# Altium PCB PCB Ver. 1.0.PcbDoc (part 1 of 2)
Units mil, origin at the board's own origin, x right, y up, seen from the top; angles counter-clockwise.
Board outline 6000 x 4000 mil, 2 copper layers (Top Layer, Bottom Layer); 133 components, 170 nets, 575 pads, 181 vias.
Unrouted connection lines stored in the file: 1.
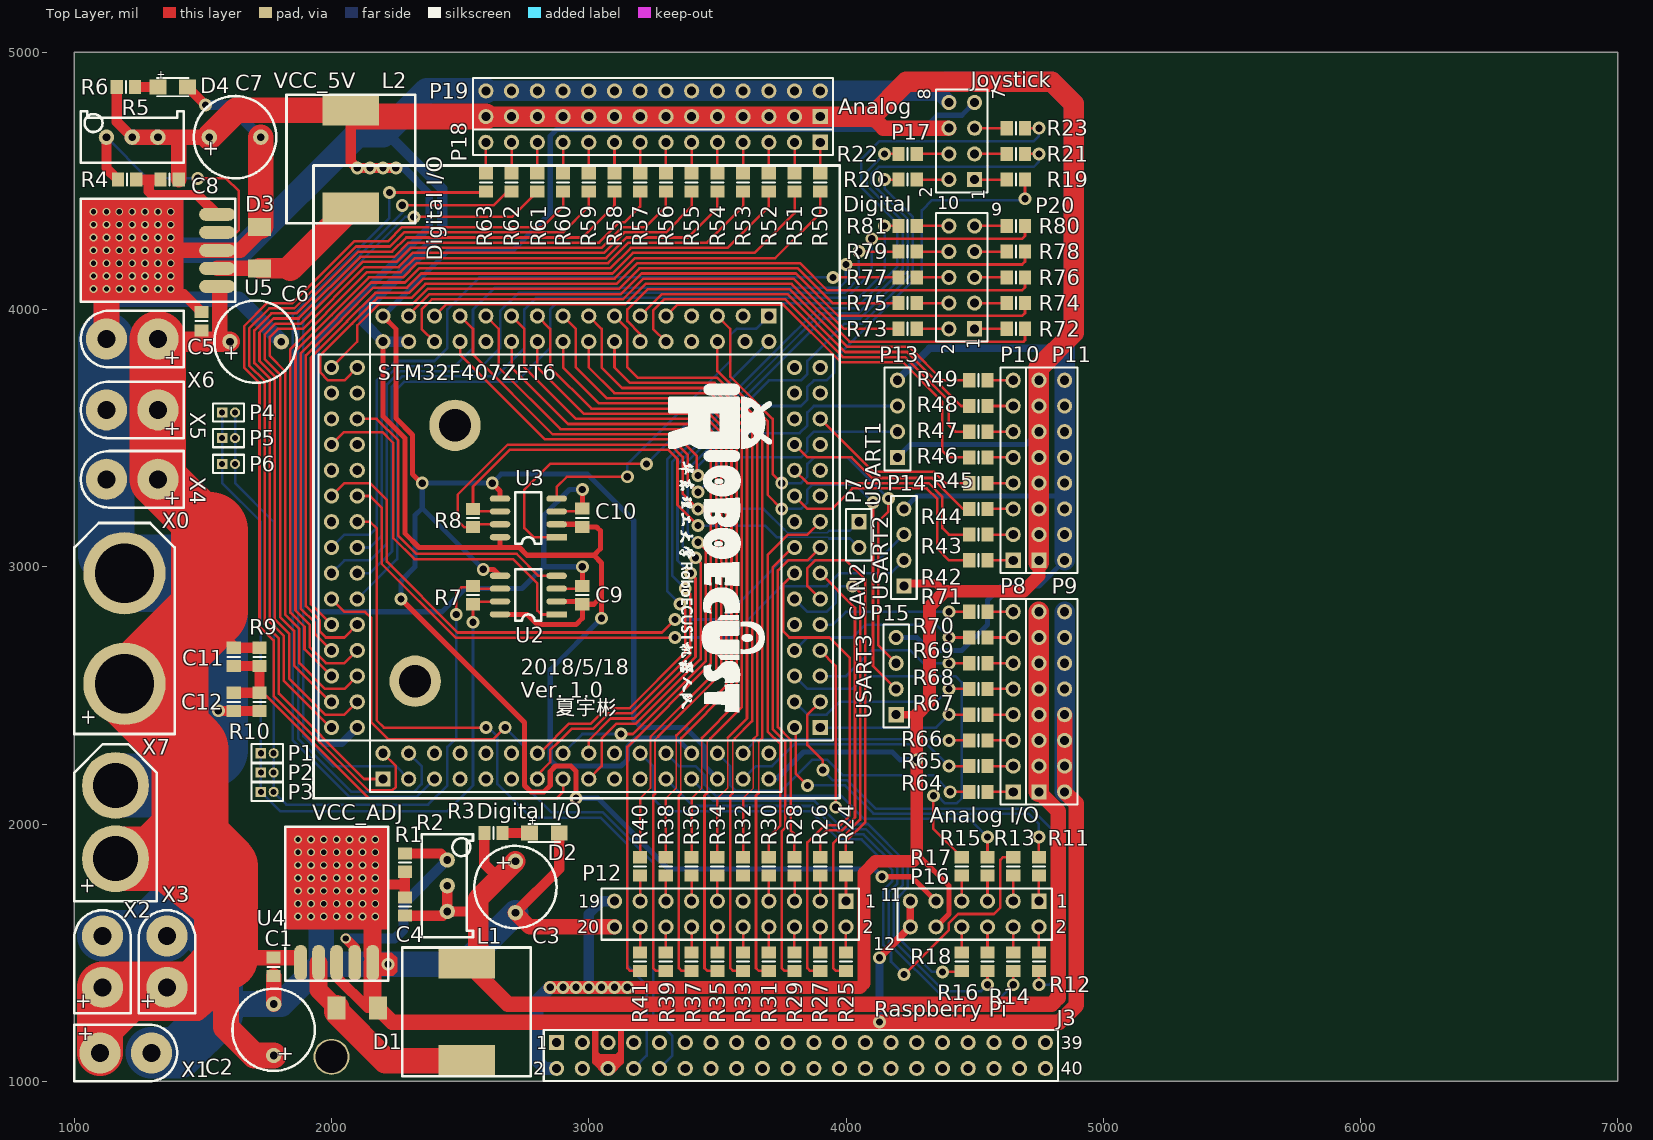
[diagram p0: Top Layer view]
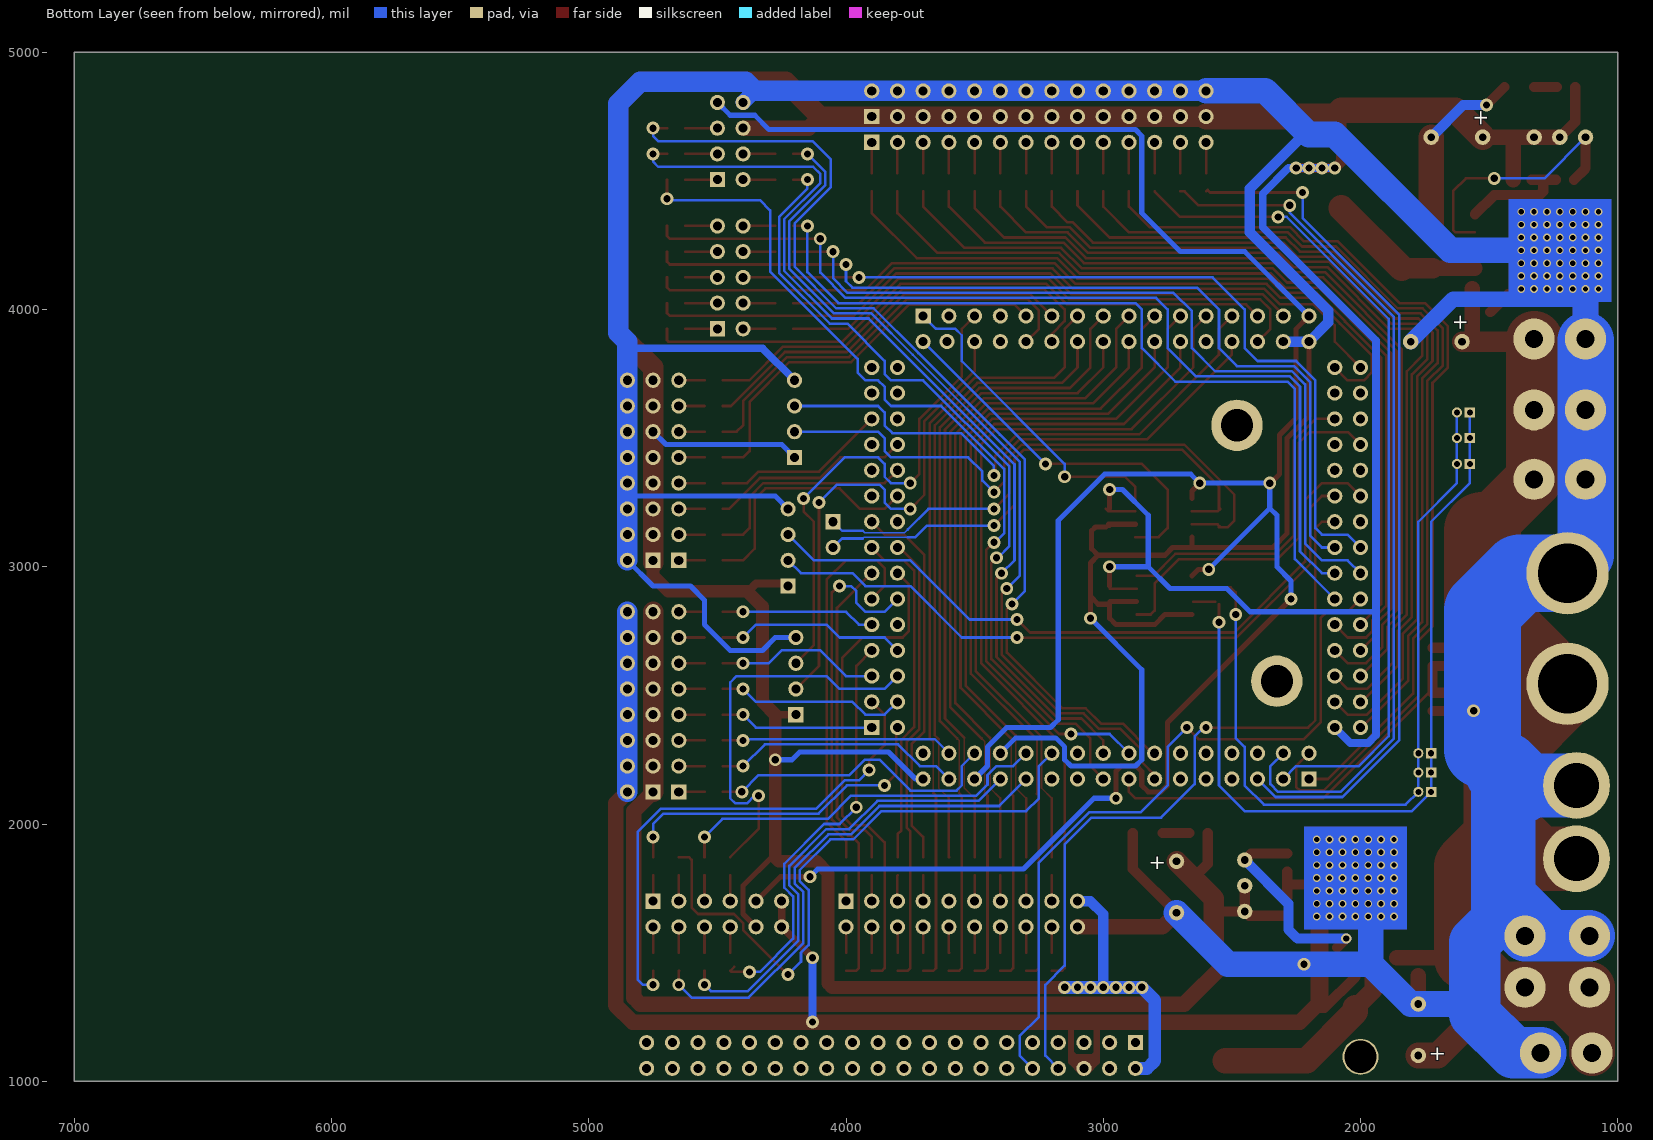
[diagram p1: Bottom Layer view, seen from below]

## Layer stack, top to bottom
Top Solder: solder mask 0.4, Solder Resist, Dk 3.5
Top Layer: signal copper 1.4
Dielectric 1: dielectric 12.6, FR-4, Dk 4.8
Bottom Layer: signal copper 1.4
Bottom Solder: solder mask 0.4, Solder Resist, Dk 3.5

## Board outline
1000,1000 7000,1000 7000,5000 1000,5000

## Design rules (kind name [scope] priority, off if disabled: settings)
Clearance [All] p1: gap=10
PolygonConnect [All] p1: connectstyle=Relief reliefconductorwidth=10 reliefentries=4 polygonreliefangle="90 Angle" airgapwidth=10
RoutingVias [All] p1: holewidth=28 width=50 viastyle="Through Hole" minholewidth=28 minwidth=50 maxholewidth=28 maxwidth=50
SolderMaskExpansion [All] p1: expansion=4
Width [All] p1: maxlimit=10 minlimit=10 preferedwidth=10
30 further rules are at their usual default settings.

## Components (designator, comment, footprint, x,y, rotation, side; value= is the part's Value field where it differs from the comment)
C1 "0.1μF" 6-0805_N 1775,1445 r90 top
C2 "100μF 50V" 8*12直插铝电解 1775,1200 r180 top
C3 "220μF 35V" 8*12直插铝电解 2715,1755 r0 top
C4 "1μF" 6-0805_N 2285,1679.13 r270 top
C5 "0.1μF" 6-0805_N 1495,3954.57 r270 top
C6 "100μF 50V" 8*12直插铝电解 1705,3875 r90 top
C7 "220μF 35V" 8*12直插铝电解 1625,4670 r90 top
C8 "1μF" 6-0805_N 1370.43,4505 r0 top
C9 "0.1μF" 6-0805_N 2975,2889.57 r270 top
C10 "0.1μF" 6-0805_N 2975,3190.43 r270 top
C11 "0.1μF" 6-0805_N 1620,2649.57 r90 top
C12 "0.1μF" 6-0805_N 1620,2474.57 r90 top
D1 "SS54" DO-214AA 2215,1330 r180 top
D2 "LED_RED" 1206_LED 2765,1930 r0 top
D3 "SS54" DO-214AA 1675,4355 r270 top
D4 "LED_RED" 1206_LED 1320,4830 r0 top
J3 "Header 20X2H" HDR2X20 2875,1150 r0 top
L1 "470" 12*12*7贴片电感 2775,1520 r180 top
L2 "470" 12*12*7贴片电感 2325,4835 r180 top
P1 "CAN1" MHDR1X2 1725,2275 r0 top
P2 "CAN1" MHDR1X2 1725,2200 r0 top
P3 "CAN1" MHDR1X2 1725,2125 r0 top
P4 "CAN1" MHDR1X2 1575,3600 r0 top
P5 "CAN1" MHDR1X2 1575,3500 r0 top
P6 "CAN1" MHDR1X2 1575,3400 r0 top
P7 "CAN2" HDR1X2 4050,3175 r270 top
P8 "Header 8" HDR1X8 4650,2125 r90 top
P9 "Header 8X2" HDR2X8 4750,2125 r90 top
P10 "Header 8" HDR1X8 4650,3025 r90 top
P11 "Header 8X2" HDR2X8 4750,3025 r90 top
P12 "Header 10X2" HDR2X10 4000,1700 r180 top
P13 "USART1" HDR1X4 4200,3425 r90 top
P14 "USART2" HDR1X4 4225,2925 r90 top
P15 "USART3" HDR1X4 4195,2425 r90 top
P16 "Header 6X2" HDR2X6 4750,1700 r180 top
P17 "Header 4X2" HDR2X4 4500,4505 r90 top
P18 "Header 14" HDR1X14 3900,4650 r180 top
P19 "Header 14X2" HDR2X14 3900,4750 r180 top
P20 "Header 5X2" HDR2X5 4500,3925 r90 top
R1 "330" 6-0805_N 2285,1850 r90 top
R2 "10K" 3296W精密电位器 2350,1960 r270 top
R3 "1K" 6-0805_N 2629.57,1965 r0 top
R4 "330" 6-0805_N 1205.43,4505 r180 top
R5 "10K" 3296W精密电位器 1025,4570 r0 top
R6 "1K" 6-0805_N 1200.43,4865 r0 top
R7 "120R" 6-0805_N 2550,2889.57 r270 top
R8 "120R" 6-0805_N 2550,3189.57 r270 top
R9 "9K" 6-0805_N 1720,2649.57 r90 top
R10 "1K" 6-0805_N 1720,2474.57 r90 top
R11 "100R" 6-0805_N 4750,1835.43 r270 top
R12 "100R" 6-0805_N 4750,1464.57 r270 top
R13 "100R" 6-0805_N 4650,1835.43 r270 top
R14 "100R" 6-0805_N 4650,1464.57 r270 top
R15 "100R" 6-0805_N 4550,1835.43 r270 top
R16 "100R" 6-0805_N 4550,1464.57 r270 top
R17 "100R" 6-0805_N 4450,1835.43 r270 top
R18 "100R" 6-0805_N 4450,1464.57 r270 top
R19 "100R" 6-0805_N 4660.43,4505 r180 top
R20 "100R" 6-0805_N 4239.57,4505 r180 top
R21 "100R" 6-0805_N 4660.43,4605 r180 top
R22 "100R" 6-0805_N 4239.57,4605 r180 top
R23 "100R" 6-0805_N 4660.43,4705 r180 top
R24 "100R" 6-0805_N 3999.57,1835.43 r270 top
R25 "100R" 6-0805_N 3999.57,1464.57 r270 top
R26 "100R" 6-0805_N 3899.57,1835.43 r270 top
R27 "100R" 6-0805_N 3899.57,1464.57 r270 top
R28 "100R" 6-0805_N 3799.57,1835.43 r270 top
R29 "100R" 6-0805_N 3799.57,1464.57 r270 top
R30 "100R" 6-0805_N 3699.57,1835.43 r270 top
R31 "100R" 6-0805_N 3699.57,1464.57 r270 top
R32 "100R" 6-0805_N 3599.57,1835.43 r270 top
R33 "100R" 6-0805_N 3599.57,1464.57 r270 top
R34 "100R" 6-0805_N 3499.57,1835.43 r270 top
R35 "100R" 6-0805_N 3500,1464.57 r270 top
R36 "100R" 6-0805_N 3399.57,1835.43 r270 top
R37 "100R" 6-0805_N 3399.57,1464.57 r270 top
R38 "100R" 6-0805_N 3299.57,1835.43 r270 top
R39 "100R" 6-0805_N 3299.57,1464.57 r270 top
R40 "100R" 6-0805_N 3199.57,1835.43 r270 top
R41 "100R" 6-0805_N 3199.57,1464.57 r270 top
R42 "100R" 6-0805_N 4514.57,3025 r0 top
R43 "100R" 6-0805_N 4514.57,3125 r0 top
R44 "100R" 6-0805_N 4514.57,3225 r0 top
R45 "100R" 6-0805_N 4514.57,3325 r0 top
R46 "100R" 6-0805_N 4514.57,3425 r0 top
R47 "100R" 6-0805_N 4514.57,3525 r0 top
R48 "100R" 6-0805_N 4514.57,3625 r0 top
R49 "100R" 6-0805_N 4514.57,3725 r0 top
R50 "100R" 6-0805_N 3900,4494.57 r90 top
R51 "100R" 6-0805_N 3800,4494.57 r90 top
R52 "100R" 6-0805_N 3700,4494.57 r90 top
R53 "100R" 6-0805_N 3600,4494.57 r90 top
R54 "100R" 6-0805_N 3500,4494.57 r90 top
R55 "100R" 6-0805_N 3400,4494.57 r90 top
R56 "100R" 6-0805_N 3300,4494.57 r90 top
R57 "100R" 6-0805_N 3200,4494.57 r90 top
R58 "100R" 6-0805_N 3100,4494.57 r90 top
R59 "100R" 6-0805_N 3000,4494.57 r90 top
R60 "100R" 6-0805_N 2900,4494.57 r90 top
R61 "100R" 6-0805_N 2800,4494.57 r90 top
R62 "100R" 6-0805_N 2700,4494.57 r90 top
R63 "100R" 6-0805_N 2600,4494.57 r90 top
R64 "100R" 6-0805_N 4514.57,2125 r0 top
R65 "100R" 6-0805_N 4514.57,2225 r0 top
R66 "100R" 6-0805_N 4514.57,2325 r0 top
R67 "100R" 6-0805_N 4514.57,2425 r0 top
R68 "100R" 6-0805_N 4514.57,2525 r0 top
R69 "100R" 6-0805_N 4514.57,2625 r0 top
R70 "100R" 6-0805_N 4514.57,2725 r0 top
R71 "100R" 6-0805_N 4514.57,2825 r0 top
R72 "100R" 6-0805_N 4660.43,3925 r180 top
R73 "100R" 6-0805_N 4239.57,3925 r180 top
R74 "100R" 6-0805_N 4660.43,4025 r180 top
R75 "100R" 6-0805_N 4239.57,4025 r180 top
R76 "100R" 6-0805_N 4660.43,4125 r180 top
R77 "100R" 6-0805_N 4239.57,4125 r180 top
R78 "100R" 6-0805_N 4660.43,4225 r180 top
R79 "100R" 6-0805_N 4239.57,4225 r180 top
R80 "100R" 6-0805_N 4660.43,4325 r180 top
R81 "100R" 6-0805_N 4239.57,4325 r180 top
STM32F407ZET6 "U1" STM32F103ZET6 2000,3775 r0 top locked
U2 "MCP2562-E/MF" SO-8 2875,2815 r180 top
U3 "MCP2562-E/MF" SO-8 2875,3115 r180 top
U4 "LM2596S-ADJ" TO-263 1820,1390 r0 top
U5 "LM2596S-ADJ" TO-263 1625,4030 r90 top
X0 "XT90" XT90PB 1390,2350 r90 top
X1 "XT30" XT30UPB 1000,1000 r0 top
X2 "XT30" XT30UPB 1220,1265 r90 top
X3 "XT30" XT30UPB 1470,1265 r90 top
X4 "XT30" XT30UPB 1425,3450 r180 top
X5 "XT30" XT30UPB 1425,3720 r180 top
X6 "XT30" XT30UPB 1425,3995 r180 top
X7 "XT60" XT60PB 1320,1700 r90 top

## Footprints (in the part's own frame and the unit in brackets; to place one, negate y for a bottom-side part, rotate by r counter-clockwise, add the part's x,y. Pads: shape width x height; smd on the part's side, far side on the other; paste and mask are expansions set on the pad)
6-0805_N [mm] "Chip Resistor, Body 2.0x1.2mm, IPC Medium Density"
  rect 1.2x1.4 smd: 1(-0.9,0) 2(0.9,0)
  silkscreen extent 0,-0.6 0,0.6, body extent -1.07,-0.7 1.07,0.7, height 0.7
8*12直插铝电解 [mil]
  round 60 hole 30: 1(0,100) 2(0,-100)
  silkscreen extent -160,-160 160,160
12*12*7贴片电感 [mil]
  rect 220x120 smd: 1(250,440) 2(250,60)
  silkscreen extent 0,0 500,500
1206_LED [mil]
  rect 65x60 smd: 1(5,35) 2(120,35)
  silkscreen extent 0,0 125,70
3296W精密电位器 [mil]
  round 60 hole 30: 1(100,100) 2(200,100) 3(300,100)
  silkscreen extent 0,0 400,200
DO-214AA [mil]
  rect 70x90 smd: 1(35,45) 2(195,45)
HDR1X2 [mm] "Connector; Header; 2 Position"
  rect 1.5x1.5 hole 0.9: 1(0,0)
  round 1.5 hole 0.9: 2(2.54,0)
  silkscreen extent -1.27,-1.27 3.81,1.27
HDR1X4 [mm] "Connector; Header; 4 Position"
  rect 1.5x1.5 hole 0.9: 1(0,0)
  round 1.5 hole 0.9: 2(2.54,0) 3(5.08,0) 4(7.62,0)
  silkscreen extent -1.27,-1.27 8.89,1.27
HDR1X8 [mm] "Connector; Header; 8 Position"
  rect 1.5x1.5 hole 0.9: 1(0,0)
  round 1.5 hole 0.9: 2(2.54,0) 3(5.08,0) 4(7.62,0) 5(10.16,0) 6(12.7,0) 7(15.24,0) 8(17.78,0)
  silkscreen extent -1.27,-1.27 19.05,1.27
HDR1X14 [mm] "Connector; Header; 14 Position"
  rect 1.5x1.5 hole 0.9: 1(0,0)
  round 1.5 hole 0.9: 2(2.54,0) 3(5.08,0) 4(7.62,0) 5(10.16,0) 6(12.7,0) 7(15.24,0) 8(17.78,0) 9(20.32,0) 10(22.86,0) 11(25.4,0) 12(27.94,0) 13(30.48,0) 14(33.02,0)
  silkscreen extent -1.27,-1.27 34.29,1.27
HDR2X4 [mm] "Connector; Header; 4x2 Position"
  rect 1.5x1.5 hole 0.9: 1(0,0)
  round 1.5 hole 0.9: 2(0,2.54) 3(2.54,0) 4(2.54,2.54) 5(5.08,0) 6(5.08,2.54) 7(7.62,0) 8(7.62,2.54)
  silkscreen extent -1.27,-1.27 8.89,3.81
HDR2X5 [mm] "Connector; Header; 5x2 Position"
  rect 1.5x1.5 hole 0.9: 1(0,0)
  round 1.5 hole 0.9: 2(0,2.54) 3(2.54,0) 4(2.54,2.54) 5(5.08,0) 6(5.08,2.54) 7(7.62,0) 8(7.62,2.54) 9(10.16,0) 10(10.16,2.54)
  silkscreen extent -1.27,-1.27 11.43,3.81
HDR2X6 [mm] "Connector; Header; 6x2 Position"
  rect 1.5x1.5 hole 0.9: 1(0,0)
  round 1.5 hole 0.9: 2(0,2.54) 3(2.54,0) 4(2.54,2.54) 5(5.08,0) 6(5.08,2.54) 7(7.62,0) 8(7.62,2.54) 9(10.16,0) 10(10.16,2.54) 11(12.7,0) 12(12.7,2.54)
  silkscreen extent -1.27,-1.27 13.97,3.81
HDR2X8 [mm] "Connector; Header; 8x2 Position"
  rect 1.5x1.5 hole 0.9: 1(0,0)
  round 1.5 hole 0.9: 2(0,-2.54) 3(2.54,0) 4(2.54,-2.54) 5(5.08,0) 6(5.08,-2.54) 7(7.62,0) 8(7.62,-2.54) 9(10.16,0) 10(10.16,-2.54) 11(12.7,0) 12(12.7,-2.54) 13(15.24,0) 14(15.24,-2.54) 15(17.78,0) 16(17.78,-2.54)
  silkscreen extent -1.27,-3.81 19.05,1.27
HDR2X10 [mm] "Connector; Header; 10x2 Position"
  rect 1.5x1.5 hole 0.9: 1(0,0)
  round 1.5 hole 0.9: 2(0,2.54) 3(2.54,0) 4(2.54,2.54) 5(5.08,0) 6(5.08,2.54) 7(7.62,0) 8(7.62,2.54) 9(10.16,0) 10(10.16,2.54) 11(12.7,0) 12(12.7,2.54) 13(15.24,0) 14(15.24,2.54) 15(17.78,0) 16(17.78,2.54) 17(20.32,0) 18(20.32,2.54) 19(22.86,0) 20(22.86,2.54)
  silkscreen extent -1.27,-1.27 24.13,3.81
HDR2X14 [mm] "Connector; Header; 14x2 Position"
  rect 1.5x1.5 hole 0.9: 1(0,0)
  round 1.5 hole 0.9: 2(0,-2.54) 3(2.54,0) 4(2.54,-2.54) 5(5.08,0) 6(5.08,-2.54) 7(7.62,0) 8(7.62,-2.54) 9(10.16,0) 10(10.16,-2.54) 11(12.7,0) 12(12.7,-2.54) 13(15.24,0) 14(15.24,-2.54) 15(17.78,0) 16(17.78,-2.54) 17(20.32,0) 18(20.32,-2.54) 19(22.86,0) 20(22.86,-2.54) 21(25.4,0) 22(25.4,-2.54) 23(27.94,0) 24(27.94,-2.54) 25(30.48,0) 26(30.48,-2.54) 27(33.02,0) 28(33.02,-2.54)
  silkscreen extent -1.27,-3.81 34.29,1.27
HDR2X20 [mm] "Connector; Header; 20x2 Position"
  rect 1.5x1.5 hole 0.9: 1(0,0)
  round 1.5 hole 0.9: 2(0,-2.54) 3(2.54,0) 4(2.54,-2.54) 5(5.08,0) 6(5.08,-2.54) 7(7.62,0) 8(7.62,-2.54) 9(10.16,0) 10(10.16,-2.54) 11(12.7,0) 12(12.7,-2.54) 13(15.24,0) 14(15.24,-2.54) 15(17.78,0) 16(17.78,-2.54) 17(20.32,0) 18(20.32,-2.54) 19(22.86,0) 20(22.86,-2.54) 21(25.4,0) 22(25.4,-2.54) 23(27.94,0) 24(27.94,-2.54) 25(30.48,0) 26(30.48,-2.54) 27(33.02,0) 28(33.02,-2.54) 29(35.56,0) 30(35.56,-2.54) 31(38.1,0) 32(38.1,-2.54) 33(40.64,0) 34(40.64,-2.54) 35(43.18,0) 36(43.18,-2.54) 37(45.72,0) 38(45.72,-2.54) 39(48.26,0) 40(48.26,-2.54)
  silkscreen extent -1.27,-3.81 49.53,1.27
MHDR1X2 [mm] "Connector; Header; 2 Position"
  rect 1x1 hole 0.6: 1(0,0)
  round 1 hole 0.6: 2(1.27,0)
  silkscreen extent -0.9,-0.9 2.17,0.9
SO-8 [mil]
  rect 80x24 smd: 1(0,0)
  oval 80x24 smd: 2(0,-50) 3(0,-100) 4(0,-150) 5(220,-150) 6(220,-100) 7(220,-50) 8(220,0)
  silkscreen extent 60,-175 160,25
STM32F103ZET6 [mm]
  round 1.5 hole 0.9: 1(0,0) 2(2.54,0) 3(0,-2.54) 4(2.54,-2.54) 5(0,-5.08) 6(2.54,-5.08) 7(0,-7.62) 8(2.54,-7.62) 9(0,-10.16) 10(2.54,-10.16) 11(0,-12.7) 12(2.54,-12.7) 13(0,-15.24) 14(2.54,-15.24) 15(0,-17.78) 16(2.54,-17.78) 17(0,-20.32) 18(2.54,-20.32) 19(0,-22.86) 20(2.54,-22.86) 21(0,-25.4) 22(2.54,-25.4) 23(0,-27.94) 24(2.54,-27.94) 25(0,-30.48) 26(2.54,-30.48) 27(0,-33.02) 28(2.54,-33.02) 29(0,-35.56) 30(2.54,-35.56) 32(5.08,-38.1) 33(7.62,-40.64) 34(7.62,-38.1) 35(10.16,-40.64) 36(10.16,-38.1) 37(12.7,-40.64) 38(12.7,-38.1) 39(15.24,-40.64) 40(15.24,-38.1) 41(17.78,-40.64) 42(17.78,-38.1) 43(20.32,-40.64) 44(20.32,-38.1) 45(22.86,-40.64) 46(22.86,-38.1) 47(25.4,-40.64) 48(25.4,-38.1) 49(27.94,-40.64) 50(27.94,-38.1) 51(30.48,-40.64) 52(30.48,-38.1) 53(33.02,-40.64) 54(33.02,-38.1) 55(35.56,-40.64) 56(35.56,-38.1) 57(38.1,-40.64) 58(38.1,-38.1) 59(40.64,-40.64) 60(40.64,-38.1) 61(43.18,-40.64) 62(43.18,-38.1) 64(45.72,-35.56) 65(48.26,-33.02) 66(45.72,-33.02) 67(48.26,-30.48) 68(45.72,-30.48) 69(48.26,-27.94) 70(45.72,-27.94) 71(48.26,-25.4) 72(45.72,-25.4) 73(48.26,-22.86) 74(45.72,-22.86) 75(48.26,-20.32) 76(45.72,-20.32) 77(48.26,-17.78) 78(45.72,-17.78) 79(48.26,-15.24) 80(45.72,-15.24) 81(48.26,-12.7) 82(45.72,-12.7) 83(48.26,-10.16) 84(45.72,-10.16) 85(48.26,-7.62) 86(45.72,-7.62) 87(48.26,-5.08) 88(45.72,-5.08) 89(48.26,-2.54) 90(45.72,-2.54) 91(48.26,0) 92(45.72,0) 94(43.18,2.54) 95(40.64,5.08) 96(40.818,2.565) 97(38.1,5.08) 98(38.1,2.54) 99(35.56,5.08) 100(35.56,2.54) 101(33.02,5.08) 102(33.02,2.54) 103(30.48,5.08) 104(30.48,2.54) 105(27.94,5.08) 106(27.94,2.54) 107(25.4,5.08) 108(25.4,2.54) 109(22.86,5.08) 110(22.86,2.54) 111(20.32,5.08) 112(20.32,2.54) 113(17.78,5.08) 114(17.78,2.54) 115(15.24,5.08) 116(15.24,2.54) 117(12.7,5.08) 118(12.7,2.54) 119(10.16,5.08) 120(10.16,2.54) 121(7.62,5.08) 122(7.62,2.54) 123(5.08,5.08) 124(5.08,2.54)
  rect 1.5x1.5 hole 0.9: 31(5.08,-40.64) 63(48.26,-35.56) 93(43.18,5.08)
  silkscreen extent -1.78,-42.55 50.16,19.94
TO-263 [mil]
  oval 50x140 smd: 1(60,70) 2(130,70) 3(200,70) 4(270,70) 5(340,70)
  Top Layer region: 0,200 400,200 400,600 0,600
  Bottom Layer region: 0,200 400,200 400,600 0,600
  silkscreen extent 0,0 400,600
XT30UPB [mil]
  round 160 hole 70: 1(100,110) 2(300,110)
  silkscreen extent 0,0 400,220
XT60PB [mil]
  round 260 hole 175: 1(165,160) 2(450,160)
  silkscreen extent 0,0 610,320
XT90PB [mil]
  round 320 hole 230: 1(195,195) 2(625,195)
  silkscreen extent 0,0 820,390

## Part data
C1 C4 C5 C8 C9 C10 C11 C12: library part Cap, "Capacitor"
C2 C3 C6 C7: library part "Cap Pol1", "Polarized Capacitor (Radial)"
D1 D3: library part "Diode 11DQ03", "Schottky Rectifier"
D2 D4: library part LED3, "Typical BLUE SiC LED"
J3: "Header, 20-Pin, Dual row, Right Angle"
L1 L2: library part Inductor, "Inductor"
P1 P2 P3 P4 P5 P6 P7 X0 X1 X2 X3 X4 X5 X6 X7: library part "Header 2", "Header, 2-Pin"
P8 P10: "Header, 8-Pin"
P9 P11: "Header, 8-Pin, Dual row"
P12: "Header, 10-Pin, Dual row"
P13 P14 P15: library part "Header 4", "Header, 4-Pin"
P16: "Header, 6-Pin, Dual row"
P17: "Header, 4-Pin, Dual row"
P18: "Header, 14-Pin"
P19: "Header, 14-Pin, Dual row"
P20: "Header, 5-Pin, Dual row"
R1 R3 R4 R6 R7 R8 R9 R10 R11 R12 R13 R14 R15 R16 R17 R18 R19 R20 R21 R22 R23 R24 R25 R26 R27 R28 R29 R30 R31 R32 R33 R34 R35 R36 R37 R38 R39 R40 R41 R42 R43 R44 R45 R46 R47 R48 R49 R50 R51 R52 R53 R54 R55 R56 R57 R58 R59 R60 R61 R62 R63 R64 R65 R66 R67 R68 R69 R70 R71 R72 R73 R74 R75 R76 R77 R78 R79 R80 R81: library part Res2, "Resistor"
R2 R5: library part "Res Tap", "Tapped Resistor"
STM32F407ZET6: library part Component_1
U4 U5: library part LM2576S-5.0, "CI-LM2576S-5.0"

## Free pads (board coordinates)
  round 140 hole 125: 0(2000,1095)
  round 200 hole 125: 0(2325,2555) 0(2480,3550)

## Via types
v1: diameter 30, hole 20, Top Layer to Bottom Layer, 98 vias
v2: diameter 50, hole 28, Top Layer to Bottom Layer, 82 vias
v3: diameter 40, hole 25, Top Layer to Bottom Layer, 1 vias

## Nets (pads, with @x,y where several pads share a name; then routed paths per layer and width w, separated by ;. In a path a pad name is that pad's centre, name@x,y a point inside that pad or via, vN(x,y) a via of type N, cw(c..) or ccw(c..) an arc to the next point about the centre after c; other vN are vias at no path point)
ADC3_IN4: R19.1 STM32F407ZET6.46 | length 3501.5
  Top Layer w10: STM32F407ZET6.46@2900,2275 STM32F407ZET6.46@2900,2280 ; v2(3125,2350) 3171.72,2350 3455,2633.28 3455,3065 v2(3425,3095) ; v2(4695.87,4430.87) R19.1@4695.87,4505
  Bottom Layer w10: STM32F407ZET6.46@2900,2275 2975,2350 v2(3125,2350) ; v2@3420,3095 3385,3130 3385,3380 3630,3625 3825,3625 3850,3650 3850,3700 3875,3725 3925,3725 3955,3755 3955,3808.58 4295,4148.58 4295,4385 4335,4425 4690,4425 v2(4695.87,4430.87)
ADC3_IN5: R20.2 STM32F407ZET6.47 | length 3176.7
  Top Layer w10: STM32F407ZET6.47@3000,2175 3050,2225 3050,2331.57 3108.43,2390 3183.43,2390 3435,2641.57 3435,3015 v2(3415,3035) v2@3420,3040 ; v2(4150,4505) R20.2@4204.13,4505
  Bottom Layer w10: v2(3415,3035) 3410,3035 3365,3080 3365,3390 3700,3725 3825,3725 3850,3750 3850,3800 3995,3945 4063.14,3945 4260,4141.86 4260,4359.85 4150,4469.85 v2(4150,4505)
ADC3_IN6: R21.1 STM32F407ZET6.48 | length 3772.1
  Top Layer w10: STM32F407ZET6.48@3000,2275 3000,2325 3085,2410 3175.15,2410 3415,2649.85 3415,2955 v2(3395,2975) ; R21.1@4695.87,4605 v2(4750,4605)
  Bottom Layer w10: v2(3395,2975) 3345,3025 3345,3398.28 3911.72,3965 4054.85,3965 4240,4150.15 4240,4351.57 4100,4491.57 4100,4526.72 4128.28,4555 4730,4555 4750,4575 v2(4750,4605)
ADC3_IN9: R22.2 STM32F407ZET6.43 | length 3404.8
  Top Layer w10: STM32F407ZET6.43@2800,2175 2800,2190 2850,2240 2850,2287.97 2881.56,2319.53 2882.96,2319.53 2933.43,2370 3016.72,2370 3076.72,2430 3166.86,2430 3395,2658.14 3395,2895 v2(3375,2915) ; v2(4150,4605) R22.2@4204.13,4605
  Bottom Layer w10: v2(3375,2915) 3325,2965 3325,3408.74 3740.51,3824.26 3901.26,3985 4046.57,3985 4220,4158.43 4220,4343.28 4080,4483.28 4080,4535 v2(4150,4605)
ADC3_IN14: R23.1 STM32F407ZET6.44 | length 4036.5
  Top Layer w10: STM32F407ZET6.44@2800,2275 2820,2275 2820,2286.26 2923.74,2390 3008.43,2390 3068.43,2450 3158.58,2450 3375,2666.42 3375,2835 v2(3355,2855) ; R23.1@4695.87,4705 v2(4750,4705)
  Bottom Layer w10: v2(3355,2855) 3355,2865 3345,2855 3345,2865 3305,2905 3305,3417.03 3401.49,3513.51 3718.44,3830.47 3892.97,4005 4038.28,4005 4200,4166.72 4200,4335 4060,4475 4060,4585 4130,4655 4730,4655 4750,4675 v2(4750,4705)
ADC3_IN15: C11.1 C12.2 R9.1 R10.2 STM32F407ZET6.45 | length 1714.3
  Top Layer w10: R10.2@1720,2510 1735,2510 2145,2100 2875,2100 2900,2125 STM32F407ZET6.45@2900,2175
  Top Layer w40: C12.2@1620,2510 R10.2@1720,2510 R9.1@1720,2614.13 C11.1@1620,2614.13
ADC12_IN14: R17.1 STM32F407ZET6.68 | length 1567.2
  Top Layer w10: v2(4340,2110) 4340,1980.87 R17.1@4450,1870.87
  Bottom Layer w10: STM32F407ZET6.68@3800,2575 3850,2525 4025,2525 4075,2575 4425,2575 4450,2550 4450,2100 4430,2080 4385,2080 4355,2110 v2(4340,2110)
ADC12_IN15: R18.2 STM32F407ZET6.69 | length 1633.1
  Top Layer w10: STM32F407ZET6.69@3900,2675 3960,2615 v2(3960,2065) ; v2(4375,1425) 4445.87,1425 R18.2@4450,1429.13 R18.2@4434.13,1445
  Bottom Layer w10: v2(3960,2065) 4025,2000 4085,2000 4240,1845 4240,1752.97 4205.47,1718.44 4205.47,1554.53 4335,1425 v2(4375,1425)
ADC123_IN10: R13.1 STM32F407ZET6.52 | length 2432.4
  Top Layer w10: v2(4225,1415) 4227.97,1415 4400,1587.03 4400,1614.64 4435.36,1650 4575,1650 4600,1675 4600,1860 4610.87,1870.87 R13.1@4650,1870.87
  Bottom Layer w10: STM32F407ZET6.52@3200,2275 3250,2225 3250,2100 3300,2050 3861.86,2050 3971.86,1940 4060.15,1940 4180,1820.15 4180,1778.43 4145.47,1743.9 4145.47,1529.53 4175,1500 4175,1465 v2(4225,1415)
ADC123_IN11: R14.2 STM32F407ZET6.53 | length 1997.4
  Top Layer w10: R14.2@4648.47,1429.13 R14.2@4650,1429.13 v2(4650,1375)
  Bottom Layer w10: STM32F407ZET6.53@3300,2175 3405,2070 3870.15,2070 3980.15,1960 4068.43,1960 4200,1828.43 4200,1769.54 4165.47,1735.01 4165.47,1537.96 4378.43,1325 4600,1325 v2(4650,1375)
ADC123_IN12: R15.1 STM32F407ZET6.54 | length 1485.3
  Top Layer w10: R15.1@4550,1870.87 v2(4550,1950)
  Bottom Layer w10: STM32F407ZET6.54@3300,2275 3350,2225 3415,2225 3450,2190 3450,2153.28 3493.28,2110 3980.15,2110 4070.15,2020 4480,2020 v2(4550,1950)
ADC123_IN13: R16.2 STM32F407ZET6.55 | length 1775.2
  Top Layer w10: v2(4550,1375) R16.2@4550,1429.13
  Bottom Layer w10: STM32F407ZET6.55@3400,2175 3485,2090 3878.43,2090 3988.43,1980 4076.72,1980 4220,1836.72 4220,1761.26 4185.47,1726.73 4185.47,1546.24 4381.72,1350 4525,1350 v2(4550,1375)
CAN1_RX: STM32F407ZET6.6 U2.4 | length 1239.6
  Top Layer w10: STM32F407ZET6.6@2100,3575 2175,3575 2260,3490 2260,3120 2330,3050 2720,3050 2805.43,2964.57 U2.4@2870,2964.57
CAN1_TX: STM32F407ZET6.7 U2.1 | length 1461.9
  Top Layer w10: STM32F407ZET6.7@2000,3475 2048.36,3523.36 2198.36,3523.36 2240,3481.72 2240,3111.72 2321.72,3030 2705,3030 2800,2935 2800,2830 2815.43,2814.57 U2.1@2870,2814.57
CAN2_RX: STM32F407ZET6.93 U3.4 | length 1231.2
  Top Layer w10: U3.4@2875,3265 2875,3310 2915,3350 v2(3150,3350)
  Bottom Layer w10: v2(3150,3350) 3150,3400 3550,3800 3550,3900 3575,3925 3650,3925 ; 3651.53,3926.53 STM32F407ZET6.93@3700,3975
CAN2_TX: STM32F407ZET6.94 U3.1 | length 1477.7
  Top Layer w10: U3.1@2875,3115 2785,3115 2750,3150 2750,3300 2850,3400 v2(3225,3400)
  Bottom Layer w10: v2(3225,3400) STM32F407ZET6.94@3700,3875
DAC1_OUT: R11.1 STM32F407ZET6.64 | length 1337
  Top Layer w10: STM32F407ZET6.64@3800,2375 3804.53,2370.47 3804.53,2195.47 v2(3850,2150) ; R11.1@4750,1870.87 v2(4750,1950)
  Bottom Layer w10: v2(3850,2150) 3996.72,2150 4106.72,2040 4710,2040 4750,2000 v2(4750,1950)
DAC2_OUT: R12.2 STM32F407ZET6.65 | length 2006.4
  Top Layer w10: STM32F407ZET6.65@3900,2475 3850,2425 3850,2306.72 3910,2246.72 v2(3910,2210) ; v2(4750,1375) R12.2@4750,1429.13
  Bottom Layer w10: v2(3910,2210) 3950,2170 4005,2170 4115,2060 4718.28,2060 4810,1968.28 4810,1395 4790,1375 v2(4750,1375)
GND: C1.1 C2.2 C3.2 C4.1 C5.1 C6.2 C7.2 C8.1 C9.2 C10.2 C12.1 D1.1 D2.2 D3.1 D4.2 J3.6 P9.2 P9.4 P9.6 P9.8 P9.10 P9.12 P9.14 P9.16 P11.2 P11.4 P11.6 P11.8 P11.10 P11.12 P11.14 P11.16 P12.20 P13.4 P14.4 P15.4 P16.11 P16.12 P17.8 P19.2 P19.4 P19.6 P19.8 P19.10 P19.12 P19.14 P19.16 P19.18 P19.20 P19.22 P19.24 P19.26 P19.28 R1.1 R4.1 R10.1 STM32F407ZET6.56 STM32F407ZET6.122 STM32F407ZET6.124 U2.2 U2.8 U3.2 U3.8 U4.3 U4.5 U5.3 U5.5 X0.2 X1.2 X2.2 X3.2 X4.2 X5.2 X6.2 X7.2 | length 29249.3
  Top Layer w10: 1125,4060 1240,4060 ; 1410,4445 1410,4230 1240,4060 ; 1425,4060 1240,4060 ; v2(1560,2440) v2@1560.87,2439.13 ; D3.1@1720,4320 D3.1@1725,4325 ; D1.1@2160,1305 D1.1@2180,1285 ; U4.5@2160,1460 U4.5@2160,1490 ; 2160,1605 2205,1650 2205,1765 ; C4.1@2283.47,1714.57 C4.1@2285,1714.57 ; C10.2@2975,3155 2989.57,3155 C10.2@2979.57,3165
  Top Layer w20: STM32F407ZET6.124@2200,3875 2200,3585.36 2285,3500.36 2285,3130.36 2340.36,3075 2655,3075 ; U2.8@2655,2815 2760,2815 2800,2775 2950,2775 2975,2800 C9.2@2975,2854.13 3019.13,2854.13 3050,2885 ; U3.8@2655,3115 2655,3075 ; U2.2@2870,2864.57 C9.2@2974.13,2864.57 ; U3.2@2875,3165 C10.2@2979.57,3165 ; C10.2@2989.57,3155 3030,3155 3045,3140 3045,3070 3020,3045 2760.36,3045 2730.36,3075 2655,3075 ; 3022.5,3042.5 3050,3015 3050,2885 ; v2(3050,2800) 3050,2885
  Top Layer w24: J3.6@3085,1035 3125,1075 3125,1230
  Top Layer w30: v2(4130,1480) P16.12@4250,1600 P16.11@4250,1700
  Top Layer w40: R4.1@1240.87,4505 1290,4505 ; C8.1@1335,4505 1290,4505 ; 1425,4060 C5.1@1495,3990 ; D4.2@1440,4865 v2(1510,4795) ; U5.5@1555,4370 1480,4445 1410,4445 1305,4445 1290,4460 1290,4505 ; v2@1560.87,2439.13 C12.1@1620,2439.13 R10.1@1720,2439.13 ; U4.3@2020,1405 2140,1285 D1.1@2180,1285 ; 2205,1765 2284.57,1765 ; C4.1@2285,1714.57 R1.1@2285,1814.57 ; C3.2@2715,1655 2885,1825 D2.2@2885,1965
  Top Layer w60: 1410,4230 U5.3@1555,4230 1645,4230 1720,4305 D3.1@1720,4320 ; C2.2@1775,1300 C1.1@1775,1409.57 ; D1.1@2180,1285 2235,1230 3125,1230 v2(4130,1230) 4830,1230 4895,1295 4895,2080 P9.2@4850,2125 P9.4@4850,2225 P9.6@4850,2325 P9.8@4850,2425 ; C3.2@2715,1655 2770,1600 P12.20@3100,1600
  Top Layer w70: D1.1@2160,1305 U4.5@2160,1460 ; U4.5@2160,1490 2160,1605
  Top Layer w100: X6.2@1125,3885 1125,4060 ; D3.1@1725,4325 C7.2@1725,4670
  Bottom Layer w10: X0.2@1125,3045 X0.2@1195,2975 ; 1410,4040 1410,4230 ; 1445,2210 1492.5,2257.5 ; 1555,1260 1595,1300 ; 2200,4680 2220,4680
  Bottom Layer w20: v2(3050,2800) 2850,2600 2850,2250 2875,2225 3125,2225 3150,2250 3150,2300 3185,2335 3340,2335 STM32F407ZET6.56@3400,2275 ; P15.4@4195,2725 4275,2725 4325,2675 4450,2675 4550,2775 4550,2870 4605,2925 4750,2925 P11.2@4850,3025 ; P14.4@4225,3225 4275,3275 4850,3275
  Bottom Layer w30: v2(4130,1230) v2(4130,1480) ; P13.4@4200,3725 4325,3850 4850,3850
  Bottom Layer w40: v2(1510,4795) 1600,4795 C7.2@1725,4670 ; 2220,4680 2430,4470 2430,4300 2125,3995 2125,3950 STM32F407ZET6.124@2200,3875 STM32F407ZET6.122@2300,3875
  Bottom Layer w60: 1125,4040 1410,4040 1640,4040 C6.2@1805,3875 ; 4355,4850 P17.8@4400,4805
  Bottom Layer w80: P19.28@2600,4850 P19.26@2700,4850 P19.24@2800,4850 P19.22@2900,4850 P19.20@3000,4850 P19.18@3100,4850 P19.16@3200,4850 P19.14@3300,4850 P19.12@3400,4850 P19.10@3500,4850 P19.8@3600,4850 P19.6@3700,4850 P19.4@3800,4850 P19.2@3900,4850 4355,4850 4390,4885 4800,4885 4885,4800 4885,3910 4850,3875 4850,3850 P11.16@4850,3725 P11.14@4850,3625 P11.12@4850,3525 P11.10@4850,3425 P11.8@4850,3325 4850,3275 P11.6@4850,3225 P11.4@4850,3125 P11.2@4850,3025 ; P9.2@4850,2125 P9.4@4850,2225 P9.6@4850,2325 P9.8@4850,2425 P9.10@4850,2525 P9.12@4850,2625 P9.14@4850,2725 P9.16@4850,2825
  Bottom Layer w100: X6.2@1125,3880 X6.2@1125,3885 1125,4040 ; 1410,4230 1650,4230 2100,4680 2200,4680 2370,4850 P19.28@2600,4850 ; 1595,1300 C2.2@1775,1300 1805,1300 1960,1455 v2(2220,1455) 2515,1455 C3.2@2715,1655
  Bottom Layer w200: X2.2@1110,1565 X3.2@1360,1565 1445,1650 1555,1540 1555,1260 1405,1110 X1.2@1300,1110
  Bottom Layer w220: X0.2@1125,3045 X4.2@1125,3340 X5.2@1125,3610 X6.2@1125,3880
  Bottom Layer w250: X7.2@1160,2150 1385,2150 ; 1445,1650 1445,2210
  Bottom Layer w300: X0.2@1195,2975 1380,2975 1525,2830 1525,2290 ; 1385,2150 1445,2210
NetD1_2: D1.2 L1.1 U4.2 | length 802.3
  Top Layer w70: U4.2@1950,1459.57 1950,1355 D1.2@2020,1285
  Top Layer w100: D1.2@2020,1285 2020,1270 2210,1080 L1.1@2525,1080
NetD2_1: D2.1 R3.2 | length 105
  Top Layer w40: R3.2@2665,1965 D2.1@2770,1965
NetD3_2: D3.2 L2.1 U5.2 | length 617.3
  Top Layer w60: U5.2@1555,4160 D3.2@1720,4160
  Top Layer w80: D3.2@1720,4160 1840,4160
  Top Layer w100: 1840,4160 L2.1@2075,4395
NetD4_1: D4.1 R6.2 | length 89.1
  Top Layer w40: R6.2@1235.87,4865 D4.1@1325,4865
NetP1_1: P1.1 P2.1 P3.1 P4.1 P5.1 P6.1 R7.2 U2.7 | length 3223.8
  Top Layer w10: v2(2550,2784.57) R7.2@2550,2854.13 ; R7.2@2565,2864.57 U2.7@2650,2864.57
  Bottom Layer w10: P4.1@1575,3600 P5.1@1575,3500 P6.1@1575,3400 1575,3325 1725,3175 P1.1@1725,2275 P2.1@1725,2200 P3.1@1725,2125 1800,2050 2450,2050 2550,2150 v2(2550,2784.57)
NetP1_2: P1.2 P2.2 P3.2 P4.2 P5.2 P6.2 R7.1 U2.6 | length 3191.1
  Top Layer w10: v2(2485,2815) 2485,2900 2504.57,2919.57 R7.1@2544.57,2919.57 ; R7.1@2555,2914.57 U2.6@2650,2914.57
  Bottom Layer w10: P4.2@1625,3600 P5.2@1625,3500 P6.2@1625,3400 1625,3325 1775,3175 P1.2@1775,2275 P2.2@1775,2200 P3.2@1775,2125 1825,2075 2375,2075 2450,2150 2450,2300 2485,2335 v2(2485,2815)
NetP7_1: P7.1 R8.2 U3.7 | length 2168.3
  Top Layer w10: R8.2@2545,3154.57 2555.43,3165 U3.7@2655,3165 ; R8.2@2550,3154.13 2515.87,3154.13 2490,3180 2490,3280 2685,3475 3316.72,3475 3365,3426.72 3365,3285 v2(3425,3225)
  Bottom Layer w6: 3760,3145 3772.53,3132.47 3927.47,3132.47 3935,3140
  Bottom Layer w10: v2(3425,3225) 3680,3225 3760,3145 ; 3935,3140 4015,3140 P7.1@4050,3175
NetP7_2: P7.2 R8.1 U3.6 | length 2022.3
  Top Layer w10: R8.1@2545,3225.43 2555.43,3215 U3.6@2655,3215 ; R8.1@2550,3225 2550,3311.72 2693.28,3455 3308.43,3455 3345,3418.43 3345,3240 v2(3425,3160)
  Bottom Layer w6: 3760,3115 3930,3115 3935,3110
  Bottom Layer w10: v2(3425,3160) 3685,3160 3730,3115 3760,3115 ; 3935,3110 4015,3110 P7.2@4050,3075
NetP8_1: P8.1 R64.2 | length 100
  Top Layer w10: R64.2@4550,2125 P8.1@4650,2125
NetP8_2: P8.2 R65.2 | length 100
  Top Layer w10: R65.2@4550,2225 P8.2@4650,2225
NetP8_3: P8.3 R66.2 | length 100
  Top Layer w10: R66.2@4550,2325 P8.3@4650,2325
NetP8_4: P8.4 R67.2 | length 100
  Top Layer w10: R67.2@4550,2425 P8.4@4650,2425
NetP8_5: P8.5 R68.2 | length 100
  Top Layer w10: R68.2@4550,2525 P8.5@4650,2525
NetP8_6: P8.6 R69.2 | length 100
  Top Layer w10: R69.2@4550,2625 P8.6@4650,2625
NetP8_7: P8.7 R70.2 | length 100
  Top Layer w10: R70.2@4550,2725 P8.7@4650,2725
NetP8_8: P8.8 R71.2 | length 100
  Top Layer w10: R71.2@4550,2825 P8.8@4650,2825
NetP10_1: P10.1 R42.2 | length 100
  Top Layer w10: R42.2@4550,3025 P10.1@4650,3025
NetP10_2: P10.2 R43.2 | length 100
  Top Layer w10: R43.2@4550,3125 P10.2@4650,3125
NetP10_3: P10.3 R44.2 | length 100
  Top Layer w10: R44.2@4550,3225 P10.3@4650,3225
NetP10_4: P10.4 R45.2 | length 100
  Top Layer w10: R45.2@4550,3325 P10.4@4650,3325
NetP10_5: P10.5 R46.2 | length 100
  Top Layer w10: R46.2@4550,3425 P10.5@4650,3425
NetP10_6: P10.6 R47.2 | length 100
  Top Layer w10: R47.2@4550,3525 P10.6@4650,3525
NetP10_7: P10.7 R48.2 | length 100
  Top Layer w10: R48.2@4550,3625 P10.7@4650,3625
NetP10_8: P10.8 R49.2 | length 100
  Top Layer w10: R49.2@4550,3725 P10.8@4650,3725
NetP12_1: P12.1 R24.2 | length 100.2
  Top Layer w10: R24.2@3999.57,1800 4000,1799.57 P12.1@4000,1700
NetP12_2: P12.2 R25.1 | length 100.2
  Top Layer w10: R25.1@3999.57,1500 3999.57,1599.57 P12.2@4000,1600
NetP12_3: P12.3 R26.2 | length 100.2
  Top Layer w10: R26.2@3899.57,1800 3900,1799.57 P12.3@3900,1700
NetP12_4: P12.4 R27.1 | length 100.2
  Top Layer w10: R27.1@3899.57,1500 3900,1500.43 P12.4@3900,1600
NetP12_5: P12.5 R28.2 | length 100.2
  Top Layer w10: R28.2@3799.57,1800 3800,1799.57 P12.5@3800,1700
NetP12_6: P12.6 R29.1 | length 100.2
  Top Layer w10: R29.1@3799.57,1500 3799.57,1599.57 P12.6@3800,1600
NetP12_7: P12.7 R30.2 | length 100.2
  Top Layer w10: R30.2@3699.57,1800 3700,1799.57 P12.7@3700,1700
NetP12_8: P12.8 R31.1 | length 100.2
  Top Layer w10: R31.1@3699.57,1500 3699.57,1599.57 P12.8@3700,1600
NetP12_9: P12.9 R32.2
NetP12_10: P12.10 R33.1 | length 100.2
  Top Layer w10: R33.1@3599.57,1500 3600,1500.43 P12.10@3600,1600
NetP12_11: P12.11 R34.2 | length 100.2
  Top Layer w10: R34.2@3499.57,1800 3500,1799.57 P12.11@3500,1700
NetP12_12: P12.12 R35.1 | length 100
  Top Layer w10: R35.1@3500,1500 P12.12@3500,1600
NetP12_13: P12.13 R36.2 | length 100.2
  Top Layer w10: R36.2@3399.57,1800 3399.57,1700.43 P12.13@3400,1700
NetP12_14: P12.14 R37.1 | length 100.2
  Top Layer w10: R37.1@3399.57,1500 3400,1500.43 P12.14@3400,1600
NetP12_15: P12.15 R38.2 | length 100.2
  Top Layer w10: R38.2@3299.57,1800 3300,1799.57 P12.15@3300,1700
NetP12_16: P12.16 R39.1 | length 100.2
  Top Layer w10: R39.1@3299.57,1500 3300,1500.43 P12.16@3300,1600
NetP12_17: P12.17 R40.2 | length 100.2
  Top Layer w10: R40.2@3199.57,1800 3199.57,1700.43 P12.17@3200,1700
NetP12_18: P12.18 R41.1 | length 100.2
  Top Layer w10: R41.1@3199.57,1500 3200,1500.43 P12.18@3200,1600
NetP16_1: P16.1 R11.2 | length 100
  Top Layer w10: P16.1@4750,1700 R11.2@4750,1800
NetP16_2: P16.2 R12.1 | length 100
  Top Layer w10: R12.1@4750,1500 P16.2@4750,1600
NetP16_3: P16.3 R13.2 | length 100
  Top Layer w10: P16.3@4650,1700 R13.2@4650,1800
NetP16_4: P16.4 R14.1 | length 100
  Top Layer w10: R14.1@4650,1500 P16.4@4650,1600
NetP16_5: P16.5 R15.2 | length 100
  Top Layer w10: P16.5@4550,1700 R15.2@4550,1800
NetP16_6: P16.6 R16.1 | length 100
  Top Layer w10: R16.1@4550,1500 P16.6@4550,1600
NetP16_7: P16.7 R17.2 | length 100
  Top Layer w10: P16.7@4450,1700 R17.2@4450,1800
NetP16_8: P16.8 R18.1 | length 100
  Top Layer w10: R18.1@4450,1500 P16.8@4450,1600
NetP17_1: P17.1 R19.2 | length 125
  Top Layer w10: P17.1@4500,4505 R19.2@4625,4505
NetP17_2: P17.2 R20.1 | length 125
  Top Layer w10: R20.1@4275,4505 P17.2@4400,4505